# Allegro board 08_038702e.brd (continued)
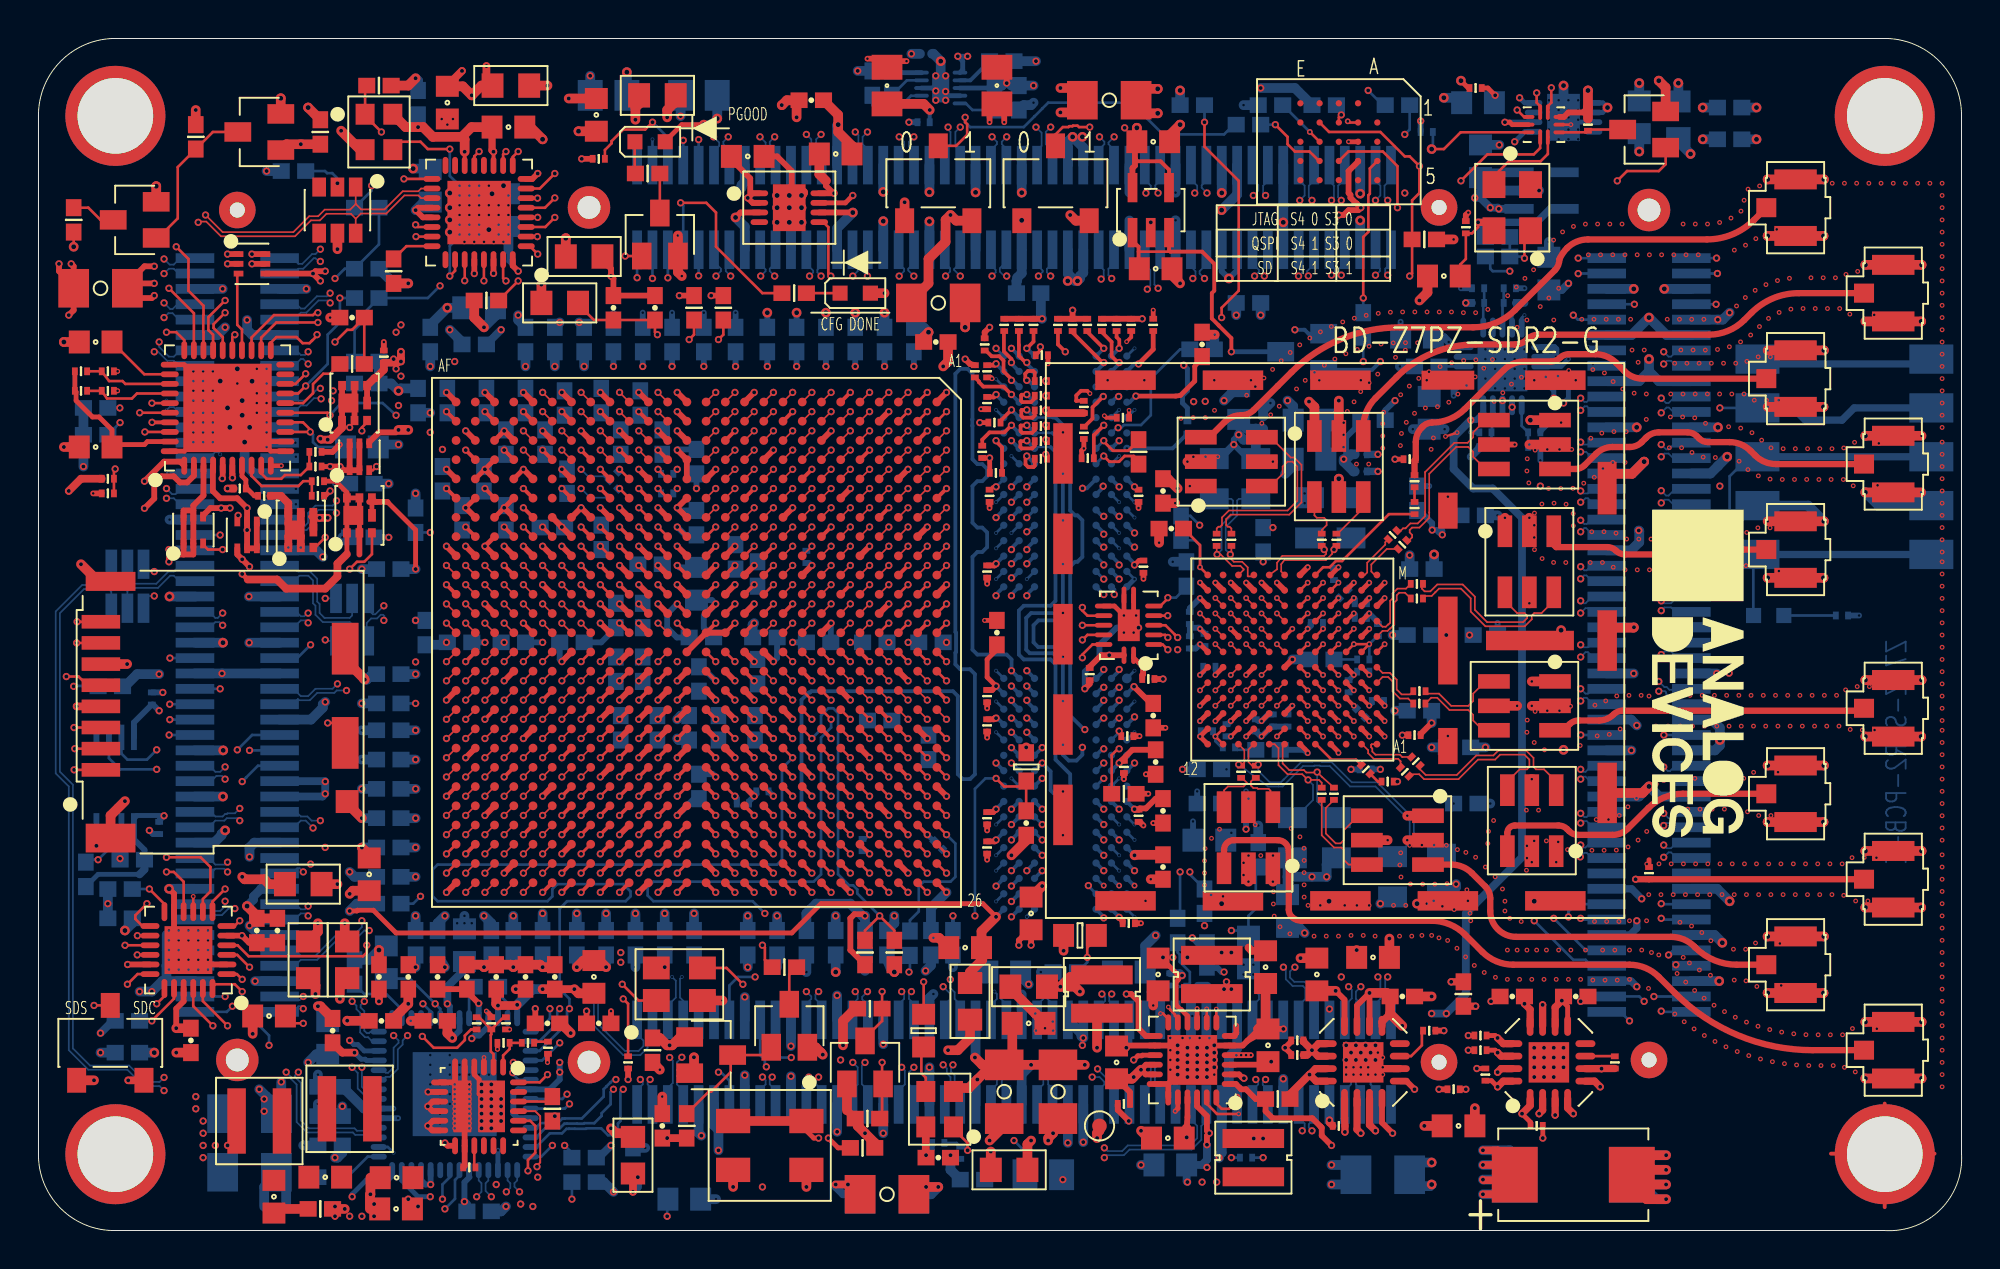
[diagram p0: board, top side]
## Routing (per net, layer and track width the routed paths; a pad name or vN(x,y) marks a point on that pad's centre or on a via; arc(x,y) is an arc through that point) (continued)
VBUS: length 39.7
  L18_SIG w0.203: v1(87.68,36.43) 86.79,36.43 85.9,37.32 85.9,38.21 84.76,39.35 78.03,39.35 72.19,45.19 v1(69.78,45.19)
  BOTTOM w0.14: P1.A1 89.17,34.94 89.17,32 DS1.A
  BOTTOM w0.203: D1.2 69.34,44.76 v1(69.78,45.19) ; v1(87.68,36.43) 87.81,36.43 89.08,35.16 P1.A1
  BOTTOM w0.381: P1.B1 P1.A1
VCC-1P35: length 98.5
  TOP w0.254: v1(57.07,43.4) 59.14,43.4 59.38,43.43 60.12,44.18 60.12,44.94 60.5,45.45 ; C108.1 49.84,30.21 49.33,29.7 49.33,28.78 v1(49.79,28.31) ; C115.1 49.72,45 v1(49.79,45.08) ; C117.1 57.14,38.53 v1(56.99,38.68) ; v1(57.2,45.07) 57.96,45.83 C116.1 ; v1(16.18,16.62) 16.55,16.62 16.59,16.66 17.41,16.66 18.59,15.48 39.17,15.48 40.69,17 49.11,17 v1(49.79,16.31) ; C112.1 49.67,43.35 v1(49.79,43.48) ; C118.1 57.22,34.84 v1(56.99,34.61)
  TOP w0.305: v1(49.79,28.31) 49.59,28.11 C96.1 ; C89.1 58.09,22.46 57.58,21.95 57.27,21.95 C95.1 57.02,21.89 v1(56.99,21.91) ; C87.1 56.88,25 56.31,24.43 ; v1(49.79,34.68) 49.7,34.59 C109.1 ; C92.1 49.72,20.24 v1(49.79,20.31) ; C97.1 49.67,26.59 49.73,26.65 v1(49.79,26.65) ; v1(56.19,16.29) 56.38,16.1 C91.1 ; v1(56.97,28.29) 57.84,27.41 C88.1 ; 56.31,24.43 C94.1 ; 56.31,24.43 v1(56.19,24.31)
  TOP w0.508: v1(53.14,59.42) 53.77,59.42 54.28,58.91 C100.1 54.28,58.66 53.77,58.15 v1(53.14,58.15) ; v1(49.79,16.31) 49.04,15.56 C192.1 49.07,15.18 49.07,14.08 48.44,13.44 E3.2 ; 39.42,58.78 v1(39.42,57.89) ; 39.42,58.78 C120.1 ; 39.42,58.78 38.91,58.78 38.66,58.53 v1(38.65,58.53) ; 58.47,19.54 57.02,19.54 v1(56.99,19.51) ; 58.47,39.1 58.73,39.1 v1(59.23,38.59)
  L15_SIG w0.406: v1(47.8,61.07) v1(48.31,61.07) 48.95,61.07 49.84,60.18 52.63,60.18 53.14,59.67 v1(53.14,59.42) 53.52,59.42 53.9,59.04 53.9,58.53 53.52,58.15 v1(53.14,58.15)
  BOTTOM w0.203: U2.D9 v1(56.99,18.71) ; U2.F1 v1(49.79,20.31) ; v1(56.19,16.29) 56.19,16.31 U2.A8 ; U2.C1 v1(49.79,17.91) ; v1(50.59,35.41) 50.59,35.48 U3.D2 ; U2.R1 v1(49.79,28.31) ; v1(49.79,33.01) 49.79,33.08 U3.A1 ; U3.N9 56.74,43.08 57.01,43.35 57.02,43.35 v1(57.07,43.4) ; U2.C9 56.97,17.94 v6(56.99,17.94) ; U2.G7 v1(55.39,21.11) ; U3.A8 55.94,33.33 v1(55.94,33.08) ; U3.K8 v1(56.19,41.08) ; U3.R1 v1(49.79,45.08) ; U2.K2 v1(50.59,24.31) ; U3.D9 56.93,35.54 v1(56.99,35.54) ; U3.N1 v1(49.79,43.48) ; U2.H2 v1(50.59,21.91) ; U2.D2 v1(50.59,18.71) ; v1(50.59,33.94) 50.66,33.94 U3.B2 ; U3.K2 v1(50.59,41.08) ; U2.N9 v1(56.99,26.71) ; U2.H9 v1(56.99,21.91) ; U2.K8 v1(56.19,24.31) ; U3.C9 56.99,34.68 v1(56.99,34.61) ; U2.B2 v1(50.59,17.11) ; U3.G7 55.36,38.65 v1(55.36,38.71) ; U2.R9 v1(56.97,28.29) ; U3.H2 v1(50.59,38.68) ; v1(57.2,45.07) 57.19,45.08 56.99,45.08 U3.R9 ; U2.A1 v1(49.79,16.31) ; U2.E9 v1(56.99,19.51) ; U3.C1 v1(49.79,34.68) ; U3.E9 v1(56.99,36.28) ; U2.N1 49.86,26.65 v1(49.79,26.65) ; U3.H9 v1(56.99,38.68) ; U3.F1 v1(49.79,37.08)
  BOTTOM w0.254: v1(48.31,61.07) v1(47.8,61.07) 48.06,60.81 48.06,60.36 U14.1
  BOTTOM w0.508: R134.2 16.56,17 v1(16.18,16.62)
VCC-3P3V: length 12.7
  TOP w0.406: C196.1 21.26,59.54 v1(22.02,60.31) ; v1(23.29,60.56) 23.29,60.05 23.61,59.73 E7.2
  TOP w0.508: E7.2 23.04,59.54 v1(22.53,59.04) 22.06,59.51 C196.1
  L17_SIG w0.406: v1(45.39,61.2) 44.5,60.31 v1(42.6,60.31)
  BOTTOM w0.203: 44.46,60.22 R221.1
  BOTTOM w0.254: U14.10 44.46,60.22
  BOTTOM w0.508: R221.1 R222.1 v1(42.6,60.31) ; R178.1 v1(11.86,55.1) ; C43.2 v1(45.39,61.2)
VCC-3P3V-IO: length 35.2
  TOP w0.203: U1.U8 v1(30.22,36.59) ; U1.V14 v1(29.22,29.59) ; U1.V12 v1(29.22,32.59) ; U1.W8 v1(28.22,36.59) ; U1.V8 v1(29.22,36.59)
  TOP w0.305: R168.1 v1(34.98,48.62) ; U11.21 7.55,11.92 7.16,11.54 v1(7.16,10.52) ; U11.17 v1(4.64,13.84) ; U15.21 19.99,52.69 v1(19.61,53.07) 19.73,53.19 U15.20 ; R167.1 v1(33.33,48.62)
  TOP w0.406: S1.3 v1(4.67,7.81) ; J3.4 v1(1.98,27.26) ; D4.A 43.27,48.75
  TOP w0.508: v1(31.04,57.77) 31.04,58.4 31.23,58.59 E8.2 ; C41.1 v1(7.16,10.52) ; C197.1 v1(27.57,58.87) ; v1(41.84,9.63) 41.84,10.9 42.47,11.54 R8.1 ; 43.27,48.75 v1(43.99,48.75)
  L3_SIG w0.406: v1(3.61,17) 2.21,18.4 2.21,21.19 3.61,22.59 3.61,25.64 v1(1.98,27.26)
  BOTTOM w0.406: v1(3.23,10.27) 3.86,10.9
  BOTTOM w0.508: C184.1 20.03,53.49 v1(19.61,53.07) ; C57.1 v1(3.23,9.25) ; 3.86,10.9 R109.1 ; C42.1 v1(3.61,17) R4.1
VCCO-DDR: length 21.2
  TOP w0.203: U1.W22 v1(28.22,21.59) ; U1.H25 v1(40.22,18.59) ; U1.V25 v1(29.22,18.59) ; U1.T21 v1(31.22,22.59) ; U1.R24 v1(32.22,19.59) ; U1.J22 v1(39.22,21.59) ; U1.M23 v1(36.22,20.59) ; U1.N20 v1(35.22,23.59) ; U1.L26 v1(37.22,17.59)
  TOP w0.305: v1(51.61,14.84) C193.1 51.53,15.64 50.98,15.09 v1(50.98,14.84)
  TOP w0.508: E2.2 v1(49.52,4.11) ; C138.1 50.22,5.44 v1(49.46,4.68) ; v1(52.5,4.68) 52.5,4.81 v1(52.76,5.06) 52.76,5.57 C139.1
  BOTTOM w0.305: C130.1 35.07,23.73 v1(35.22,23.59)
  BOTTOM w0.508: C129.1 v1(32.56,16.49) ; C127.1 v1(36.88,16.36) ; C121.1 v1(31.04,16.49) ; C131.1 v1(41.45,16.36) ; C132.1 v1(19.61,18.4) ; C126.1 v1(27.99,16.49) ; C135.1 v1(19.61,22.97) ; C128.1 v1(29.52,16.49) ; C137.1 v1(34.09,16.49) ; C136.1 v1(38.41,16.36)
VCCO_1P8V: length 14.4
  TOP w0.203: U1.A16 v1(47.22,27.59) ; U1.B13 v1(46.22,31.59) ; U1.F11 v1(42.22,33.59) ; U1.E14 v1(43.22,29.59) ; U1.J12 v1(39.22,32.59) ; U1.H15 v1(40.22,28.59)
  TOP w0.305: v1(14.91,49.89) 14.4,49.89 v1(14.28,49.77) ; v1(14.28,49.77) v1(14.66,49.38) ; v1(14.28,49.77) 11.8,49.77
  BOTTOM w0.305: C249.1 v1(39.22,30.59) ; C250.1 v1(42.22,30.59) ; C90.1 v1(32.95,44.94) ; C70.1 v1(29.9,44.94) ; C72.1 v1(42.47,44.94) ; C93.1 v1(36.25,44.94) ; C71.1 v1(45.52,44.94) ; C98.1 v1(39.42,44.94) ; C37.1 v1(45.22,30.59)
VCCO_1P8V_EN: length 4.1
  TOP w0.14: 10.4,49.77 10.34,49.7 10.34,47.1 10.58,46.86 U7.24
VCCO_12: length 11.7
  TOP w0.203: U1.AC10 v1(24.22,34.59) ; U1.AB13 v1(25.22,31.59) ; U1.AA16 v1(26.22,27.59) ; U1.AE14 v1(22.22,29.59) ; U1.AD17 v1(23.22,26.59) ; U1.AF11 v1(21.22,33.59)
  TOP w0.254: 14.15,37.13 14.56,37.13 v1(14.62,37.07)
  TOP w0.406: 14.29,37.07 14.29,37.34 Q11.4 ; 14.29,37.07 Q11.PAD2 ; 14.29,37.07 v1(14.62,37.07) v1(15.04,37.07)
  BOTTOM w0.254: v1(14.62,37.07) v1(15.04,37.07)
  BOTTOM w0.508: C153.1 23.55,15.98 v1(23.17,16.36) ; C146.1 v1(19.61,19.92) ; C111.1 v1(19.61,24.49) ; C160.1 v1(19.61,21.44) ; C157.1 v1(26.21,16.49) ; C144.1 v1(19.61,28.94)
VCCO_12_13_EN: length 30.8
  TOP w0.14: v1(14.91,36.05) 14.38,35.52 Q11.3 ; v1(6.78,49) 8.08,47.71 U7.29 ; v1(16.18,34.4) 16.56,34.78 16.94,34.78 17.34,35.18 Q9.3
  L17_SIG w0.095: 15.55,35.5 15.55,35.03 v1(16.18,34.4) ; 15.55,35.5 16.18,36.13 16.18,36.33 17.03,37.18 17.03,37.46 16.83,37.66 16.83,38.22 17.2,38.59 17.2,42.02 16.44,42.78 12.63,42.78 12.12,43.29 12.12,44.43 11.61,44.94 10.85,44.94 v1(6.78,49) ; 15.55,35.5 15.46,35.5 v1(14.91,36.05)
VCCO_13: length 23.3
  TOP w0.203: U1.AC20 v1(24.22,23.59) ; U1.AB23 v1(25.22,20.59) ; U1.Y19 v1(27.22,24.59) ; U1.AE24 v1(22.22,19.59) ; U1.AA26 v1(26.22,17.59) ; U1.AF21 v1(21.22,22.59)
  TOP w0.254: v1(19.61,34.4) 19.61,36.43 18.15,37.89 ; 17.55,37.89 Q9.4 17.34,37.2 Q9.PAD2
  TOP w0.305: 17.2,37.89 18.15,37.89
  BOTTOM w0.254: R57.1 3.1,18.52 5.26,18.52 ; U21.1 4.96,21.4 5.14,21.58 6.52,21.58 v1(6.53,21.57)
  BOTTOM w0.305: R58.1 5.51,19.79 4.96,20.34 U21.1 ; C243.2 6.28,21.32 v1(6.53,21.57)
  BOTTOM w0.406: 20.12,31.73 v1(19.61,31.73) ; R58.1 5.51,18.78 5.26,18.52
  BOTTOM w0.508: C171.1 v1(19.61,34.4) ; C167.1 v1(19.61,26.02) ; C169.1 20.75,15.98 v1(21.13,16.36) ; C185.1 v1(19.61,16.36) ; C186.1 v1(24.69,16.36)
VCCO_33_34: length 22.9
  TOP w0.203: U1.K9 v1(38.22,35.59) ; U1.F1 v1(42.22,43.59) ; U1.D7 v1(44.22,37.59) ; U1.J2 v1(39.22,42.59) ; U1.L6 v1(37.22,38.59) ; U1.B3 v1(46.22,41.59) ; U1.E4 v1(43.22,40.59) ; v1(18.72,41.64) 18.59,41.51 ; U1.H5 v1(40.22,39.59) ; U1.G8 v1(41.22,36.59) ; U1.M3 v1(36.22,41.59) ; U1.A6 v1(47.22,38.59) ; U1.C10 v1(45.22,34.59)
  TOP w0.305: 18.59,41.51 17.71,41.51 17.2,41 Q10.4 ; U22.14 v1(55.68,29.92) 55.26,29.92 54.66,29.32 C246.1
  TOP w0.508: v1(47.04,44.94) 47.3,45.19 C145.1 ; v1(19.23,41.64) v1(18.72,41.64)
  BOTTOM w0.203: C147.1 v1(47.55,16.36)
  BOTTOM w0.305: C15.1 v1(37.9,44.94) ; C18.1 v1(31.42,44.94) ; C27.1 v1(40.95,44.94) ; C154.1 v1(34.22,38.59) ; C31.1 v1(43.99,44.94) ; C17.1 v1(34.6,44.94)
  BOTTOM w0.508: C28.1 v1(26.85,44.94) ; v1(44.5,16.36) 44.5,15.98 C110.1 ; C99.1 v1(25.33,44.94) ; C114.1 v1(28.37,44.94)
VCCO_33_34_EN: length 24.4
  TOP w0.14: Q10.3 17.39,39.54 v1(17.58,39.73) ; U7.28 8.58,46.71 8.57,46.72 8.57,47.61 8.58,47.62 8.58,48.09 7.8,48.88 7.8,50.53 v1(7.16,51.16)
  L17_SIG w0.095: v1(17.58,39.73) 17.71,39.86 17.71,42.02 16.56,43.16 16.56,43.8 13.64,46.72 10.72,46.72 10.13,47.31 9.36,47.31 8.56,48.11 8.56,49.77 v1(7.16,51.16)
VCCPCOM-1P8V: length 90.2
  TOP w0.203: U1.C20 v1(45.22,23.59) ; U1.U9 v1(30.22,35.59) ; U1.L19 v1(37.22,24.59) ; U1.N9 v1(35.22,35.59) ; U1.E24 v1(43.22,19.59) ; U1.P10 v1(33.22,34.59) ; U1.V6 v1(29.22,38.59) ; U1.B23 v1(46.22,20.59) ; U1.T10 v1(31.22,34.59) ; U1.V10 v1(29.22,34.59) ; U1.T8 v1(31.22,36.59) ; U1.N19 v1(35.22,24.59) ; U1.P8 v1(33.22,36.59) ; U15.11 v1(23.66,56.1) ; U1.G18 v1(41.22,25.59) ; U1.D17 v1(44.22,26.59) ; U1.F21 v1(42.22,22.59) ; U1.K18 v1(38.22,25.59) ; U1.A26 v1(47.22,17.59) ; U1.R19 v1(32.22,24.59) ; U1.R9 v1(32.22,35.59) ; U1.M10 v1(36.22,34.59) ; U15.14 v1(22.16,56.1) ; U1.U19 v1(30.22,24.59)
  TOP w0.305: v1(6.02,50.15) 5.51,50.15 4.62,49.26 C180.1 ; v1(24.94,49.89) 24.66,50.17 U15.32 ; Q12.6 v1(11.1,50.78) ; v1(67.62,52.81) 67.87,52.81 68.12,53.07 68.63,53.07 v1(68.76,53.19) 68.54,53.42 68.52,53.42 68.22,53.71 68.22,53.86 68.12,53.96 68.12,55.1 68.62,55.59 U13.B4 ; v1(25.96,54.97) 25.68,54.69 U15.8 ; R194.1 42.22,14.59 42.22,16.24 42.43,16.45 42.89,16.45 v1(42.98,16.36) ; Q12.1 v1(9.83,50.78) ; Q12.2 v1(9.83,50.27) ; Q12.5 v1(11.1,50.27) ; U11.5 v1(10.58,15.34) 10.95,14.97 C54.1 ; C180.1 4.75,49 5.01,49.26 v1(6.02,49.26) ; C180.1 4.62,48.88 5.01,48.5 5.89,48.5 v1(6.02,48.62) ; U15.30 v1(23.66,49.78) ; U15.28 v1(22.66,49.77)
  TOP w0.381: C183.1 23.59,56.18 v1(23.66,56.1)
  TOP w0.406: Y1.4 46.14,3.93 v1(46.15,3.92) ; R7.1 42.04,6.26
  TOP w0.508: E9.2 14.53,15.54 v1(14.53,15.98) ; v1(23.17,46.97) 22.66,47.48 R9.1 ; 22.02,56.88 22.16,56.73 v1(22.16,56.1) ; 22.02,56.88 20.51,56.88 20,57.39 v1(19.74,57.39) 19.09,57.39 Y3.4 ; 22.02,56.88 22.52,57.39 C183.1 ; E1.1 v1(26.15,49.19) ; S4.3 47.72,52.52 v1(47.42,52.81) 47.17,52.56 47.17,51.42 46.28,50.53 46.28,49.26 45.39,48.37 C172.1 ; v1(53.65,52.81) 53.94,52.52 S3.3 ; 42.04,6.26 Q5.1 ; C39.1 v1(46.15,3.92) ; C54.1 C55.1 ; R7.1 42.6,5.7 42.6,5.44 v1(42.98,5.06) 43.49,4.55 R3.1 ; L12.1 v1(51.36,25.13)
  BOTTOM w0.203: v1(24.94,49.89) 24.44,50.4 24.44,51.04
  BOTTOM w0.254: v1(46.22,20.59) 46.53,20.27 R32.1 ; v1(46.15,3.92) 46.47,4.24 R76.1 ; v1(43.22,19.59) 43.07,19.73 R31.1
  BOTTOM w0.305: v1(33.22,36.59) 33.63,36.18 C179.1 ; v1(33.22,34.59) 33.32,34.49 C198.1 ; C175.1 v1(23.22,30.59)
  BOTTOM w0.406: C168.1 v1(19.74,57.39) ; C166.1 v1(24.06,46.84)
  BOTTOM w0.508: R6.1 v1(51.87,60.81) ; C82.1 v1(33.39,57.96) ; C176.1 46.41,16.78 v1(47.22,17.59) ; v1(6.28,28.94) 5.13,28.94 4.5,28.3 R36.1 ; 24.44,51.04 C181.1 ; C174.1 39.93,16.49 40.44,17 42.22,17 42.85,16.36 v1(42.98,16.36) C177.1 ; v1(63.55,59.42) 65.33,59.42 R28.1 ; C182.1 23.76,47.57 v1(23.17,46.97) ; 62.28,48.24 v1(62.28,47.61) ; C83.1 v1(28.69,60.05)
VCCPINT: length 13.4
  TOP w0.203: U1.N17 v1(35.22,26.59) ; U1.T18 v1(31.22,25.59) ; U1.R17 v1(32.22,26.59) ; U1.P18 v1(33.22,25.59) ; U1.U17 v1(30.22,26.59) ; U1.L17 v1(37.22,26.59)
  TOP w0.508: C191.1 52,11.12 52,11.14 51.85,11.28 v2(51.83,11.28) 50.53,12.58 E4.2
  L2_GND w0.305: v2(52.34,10.52) 52.34,10.05 v3(52.76,9.63) ; v2(51.83,11.28) v3(51.83,9.63)
  BOTTOM w0.102: v1(37.22,26.59) 37.22,26.73 C164.1
  BOTTOM w0.508: v1(33.22,25.59) 33.3,25.51 C159.1 ; v1(67.24,2.39) 68,2.39 C173.1 68,3.41 v1(67.24,3.41)
  vias: v2(51.87,10.4) v2(52.74,10.86) v2(52.76,10.4)
VDD_INTERFACE: length 7
  TOP w0.203: v6(60.4,31.29) U17.H12
  TOP w0.254: U22.1 56.94,29.79 57.43,29.31 v1(57.46,29.31)
  TOP w0.305: C245.1 57.39,28.89 57.44,28.93 57.44,29.28 v1(57.46,29.31) ; R306.2 v1(74.22,7.35)
  TOP w0.381: E10.2 v1(73.46,12.94)
  L19_GND w0.305: v4(61.77,23.98) 61.9,24.11 v3(61.9,24.37) ; v3(61.52,22.84) 61.77,22.59 v4(61.77,22.21) ; v4(62.03,20.68) 62.03,20.99 v3(61.74,21.28)
  BOTTOM w0.305: 59.87,31.35 60.34,31.35 v6(60.4,31.29) 60.63,31.06 C355.1 ; 59.87,31.35 C348.1 ; 59.87,31.35 C356.1 ; C354.1 v4(61.77,23.98) ; C357.1 v4(61.77,22.21)
VDDA_GPO: length 102.8
  TOP w0.203: v6(63.6,25.69) U17.B8
  L7_SIG w0.508: v5(85.9,55.99) 88.95,52.94 88.95,46.97 85.52,43.54 85.52,42.27 84.76,41.51 83.75,41.51 81.59,39.35 79.68,39.35 79.05,38.72 v1(78.09,38.72)
  L14_SIG w0.406: 67.87,22.21 66.35,22.21 65.2,23.35 65.2,23.86 64.7,24.37
  L14_SIG w0.508: v5(86.54,56.75) 86.29,56.75 ; 86.29,56.75 86.29,55.99 ; 86.29,56.75 86.29,58.15 v5(86.54,58.4) ; 86.29,55.99 86.29,53.32 88.44,51.16 88.44,48.75 90.98,46.21 90.98,24.11 85.65,18.78 83.31,18.78 83.27,18.82 82.82,18.82 82.78,18.78 75.36,18.78 73.71,20.43 69.01,20.43 68.63,20.81 68.63,21.44 67.87,22.21 ; 86.29,55.99 v5(85.9,55.99) ; v6(63.6,25.69) 63.6,25.46 64.7,24.37
  L19_GND w0.305: v4(78.09,40.05) v1(78.09,38.72)
  BOTTOM w0.305: R67.1 v4(78.09,40.05) ; C359.1 63.56,25.69 v6(63.6,25.69) 64.11,26.21 C319.1 C360.1
  BOTTOM w0.508: C358.1 v5(86.54,56.75) ; E11.2 85.27,56.62 v5(85.9,55.99) ; C361.1 v5(86.54,58.4)
VDDA_GPO_PWR: length 5.7
  BOTTOM w0.254: U6.1 81.34,58.64 v5(81.59,58.4) 81.33,58.14 U6.2
  BOTTOM w0.508: JX4.9 v1(87.32,47.37) 87.57,47.37 v1(87.94,47.73) ; C200.1 v5(83.24,59.67) ; E11.1 v5(85.27,59.67)
VDDCAP: length 8.1
  TOP w0.254: R30.1 R39.1 1.96,43.61 1.96,43.16 2.81,42.31 3.15,42.31 3.82,41.64 C205.1 3.95,40.88 5.51,40.88 5.67,41.03 U7.39
VIN: length 22
  TOP w0.305: R43.1 v1(30.66,7.86) ; v1(41.37,53.94) 41.34,53.94 ; 41.34,53.94 U9.8 ; 41.34,53.94 40.95,54.34 40.95,54.59 ; C65.1 56.76,7.2 C66.1 ; v1(56.57,12.3) 56.82,12.3 57.2,11.92 57.2,10.5 57.58,10.12 U4.13 ; v1(64.1,8.78) C62.1 63.77,8.62 U4.3 ; 59.7,5.32 59.75,5.91 U4.21 ; U4.16 57.59,8.62 v1(57.33,8.36) 57.57,8.12 U4.17 ; Q13.PAD2 17.09,43.04 Q13.4 ; R56.1 v1(28.25,55.73)
  TOP w0.406: Q13.4 17.47,44.33 17.52,44.33 17.96,44.76 C364.1 18.66,45.13 18.85,45.32 ; v1(18.85,45.19) 18.85,45.32 ; 18.85,45.32 v1(18.85,45.7)
  TOP w0.508: C36.1 40.6,54.93 40.95,54.59 ; v1(57.33,8.36) v1(56.95,7.98) 56.86,7.89 C65.1 ; 59.7,5.32 v1(59.7,4.85) ; TP2.1 55.17,5.2 55.04,5.07 v1(55.04,4.81)
  BOTTOM w0.305: v1(60,15.22) 60.25,14.97 R29.1
  vias: v1(18.47,45.32) v1(18.59,44.81) v1(18.72,42.91) v1(18.85,44.43) v1(19.23,1.63) v1(19.74,1.25) v1(23.8,2.39) v1(25.07,1.38) v1(25.71,1.25)
VIN_EN: length 19
  TOP w0.14: U7.30 7.58,46.3 7.16,46.72 v1(6.66,46.72) ; Q13.3 17.09,42.03 16.82,41.76 v1(16.82,41.59)
  L17_SIG w0.095: v1(16.82,41.59) 15.47,40.24 14.78,40.24 13.64,39.1 12.63,39.1 11.99,39.73 9.58,39.73 9.32,39.99 9.32,43.16 7.67,44.81 7.67,45.7 v1(6.66,46.72)
1P3_SUPPLY_A: length 86.7
  TOP w0.203: v6(62.8,25.69) U17.B9 ; v6(68.4,32.89) U17.K3 ; v6(69.2,28.09) U17.E2 ; v6(68.4,32.09) U17.J3 ; v6(69.2,28.89) U17.F2 ; v6(62,25.69) U17.B10
  TOP w0.305: U19.10 v1(69.21,12.36) 68.56,11.71 U19.11 ; v1(67.45,12.47) 67.91,12.01 U19.12
  TOP w0.381: U19.9 69.86,10.85 70.28,11.27 ; C315.1 65.97,9.13 v1(66.22,9.38) ; U19.13 66.56,9.72 v1(66.22,9.38) ; v1(66.22,9.38) 66.53,9.07 U19.14 ; v1(66.22,9.38) 65.77,9.82 C314.1
  TOP w0.508: C312.1 v1(68.54,14.59) ; v1(70.91,10.64) 70.28,11.27 C320.1 70.1,12.36 v1(69.21,12.36) ; C313.1 v1(67.45,12.47)
  L11_POWER w0.203: v6(62,25.69) 62,25.16 62.41,24.75 64.06,24.75 64.57,24.24 64.57,23.1 65.84,21.83 65.84,21.44 65.58,21.19 65.08,21.19 64.44,20.56 64.44,19.29 ; 75.11,28.56 73.84,28.56 73.46,28.94 72.57,28.94 72.06,28.43 71.3,28.43 70.66,29.06 70.16,29.06 69.2,28.11 v6(69.2,28.09) ; v6(69.2,28.89) 69.22,28.89 70.03,29.7 70.79,29.7 71.3,29.19 71.81,29.19 72.32,29.7 73.97,29.7 74.22,29.45 74.98,29.45 ; 68,20.81 67.74,21.06 67.74,23.98 67.36,24.37 65.71,24.37 64.82,25.25 63.17,25.25 62.8,25.63 v6(62.8,25.69) ; 74.98,32.49 71.05,32.49 70.27,33.27 69.79,33.27 69.64,33.12 69.64,32.74 69.39,32.49 69.27,32.49 69.22,32.45 68.75,32.45 v6(68.4,32.09) ; v6(68.4,32.89) 68.76,33.26 68.76,34.27 69.14,34.65 69.9,34.65 71.3,33.26 74.98,33.26
  L15_SIG w0.203: v3(79.55,46.08) 78.28,44.81 78.28,41.38 74.47,37.57 72.19,37.57 71.3,36.68 v1(71.3,35.12)
  L19_GND w0.305: v4(79.55,45.32) v3(79.55,46.08)
  BOTTOM w0.254: U24.18 79.17,44.94 v4(79.55,45.32)
  BOTTOM w0.305: C321.1 61.99,25.7 v6(62,25.69) ; C326.1 68.44,32.85 v6(68.4,32.89) ; C329.1 68.44,32.05 v6(68.4,32.09)
  BOTTOM w0.508: C327.1 v1(71.3,35.12) ; C323.1 v1(70.54,27.03) ; C328.1 v1(70.41,30.97)
1P3_SUPPLY_B: length 89
  TOP w0.203: v6(69.2,27.29) U17.D2 ; v6(68.4,28.09) U17.E3 ; v6(67.6,32.89) U17.K4 ; v6(60.4,28.89) U17.F12 ; v6(68.4,27.29) U17.D3
  TOP w0.254: C344.1 75.74,9.38 v1(75.87,9.25) ; U20.9 79.51,11.66 v1(79.21,11.96) ; C343.1 75.74,10.14 v1(75.87,10.01)
  TOP w0.305: C337.1 v1(70.92,25.76)
  TOP w0.381: v1(77.27,11.79) 77.56,11.5 U20.12 ; U20.11 v1(78.21,11.74) ; U20.14 76.05,9.07 v1(75.87,9.25) ; U20.10 78.86,11.61 v1(79.21,11.96) ; U20.13 76.17,9.72 v1(75.87,10.01)
  L10_POWER w0.254: v6(67.6,32.89) 67.22,33.27 65.44,33.27 65.08,33.64 65.08,37.45 ; 68.25,21.83 v1(68.25,23.98) 68.78,24.51 68.78,26.65 68.4,27.03 v6(68.4,27.29) ; v6(69.2,27.29) 69.2,27.34 69.78,27.92 71.93,27.92 72.32,27.54 75.49,27.54 ; v6(60.4,28.89) 60.66,29.15 60.72,29.15 61.14,29.57 62.03,29.57 62.41,29.95 62.41,34.65 ; v6(68.4,28.09) 68.42,28.09 68.84,28.51 70.62,28.51 71.3,29.19 75.49,29.19
  L15_SIG w0.203: v1(73,36.18) 73.85,36.18 79.3,41.64 v1(79.3,43.03)
  L19_GND w0.254: v4(73.59,22.21) v3(72.95,22.84)
  BOTTOM w0.102: v4(65.84,38.34) 66.06,38.11 v4(66.09,38.11) 66.09,38.08 v4(65.84,37.83)
  BOTTOM w0.254: v1(79.3,43.03) 79.55,43.29 79.55,44.05 79.17,44.44 U24.19 ; C1.1 69.33,27.43 v6(69.2,27.29) ; v6(68.4,27.29) 68.53,27.16 C325.1 ; v6(68.4,28.09) 68.23,28.09 C4.1 ; v6(60.4,28.89) 60.57,29.06 C330.1
  BOTTOM w0.305: C24.1 v1(62.41,41.38) 62.16,41.13 v1(62.16,40.88) 62.89,40.14 L2.1 ; C2.1 v1(74.41,30.97) ; C331.1 73.36,37.19 72.95,36.78 72.95,36.43 73,36.39 v1(73,36.18) 72.87,36.3 72.82,36.3 72.7,36.43 v1(72.47,36.43) 72.47,36.78 71.81,37.45 C324.1 ; C335.1 v1(63.68,34.78) ; C19.2 v1(62.79,20.87) ; C334.1 v1(68.25,23.98) ; C3.1 68.76,42.02 68,41.26 68,40.24 v1(67.87,40.11)
  BOTTOM w0.381: v1(62.16,40.88) 61.77,40.49 61.48,40.49 61.14,40.16 L1.1
  BOTTOM w0.508: 63.3,41.13 L2.1 ; 63.3,41.13 62.66,41.13 v1(62.41,41.38) ; 63.3,41.13 63.3,41.7 ; L10.1 67.33,19.38 66.98,19.03 v1(66.98,18.4) v1(66.22,18.4) 64.95,18.4 ; L4.1 70.13,17.35 v1(69.78,17) ; L3.1 73.33,17.48 73.71,17.86 v1(73.71,18.02) ; C16.2 68.25,40.37 68,40.11 v1(67.87,40.11) 67.87,39.99 68.38,39.48 C14.2 ; 64.95,18.4 64.95,19.13 L11.1 ; 64.95,18.4 C23.1 ; C20.2 63.3,41.7 ; 63.3,41.7 62.82,41.7 C24.1 ; C336.1 v1(72.44,25.13) ; C22.1 C21.1
  vias: v3(65.08,38.34) v3(65.08,37.7)
9361_XTAL: length 5.2
  TOP w0.14: U17.M12 v6(60.4,34.49) 60.4,35.65 C165.1
  BOTTOM w0.14: v6(60.4,34.49) 60.4,34.5 60.4,35.62 60.12,35.9 C216.2
AD9361_CLK: length 51.2
  TOP w0.14: v5(72.44,56.24) 73.08,56.24 73.95,57.11 U5.1
  L14_SIG w0.095: v1(84.52,25.77) 86.41,27.67 87.94,27.67 88.7,28.43 88.7,44.43 85.9,47.23 85.9,49 84.89,50.02 83.36,50.02 77.52,55.86 72.82,55.86 v5(72.44,56.24)
  BOTTOM w0.14: v5(72.44,56.24) 72.51,56.31 R5.1 ; JX4.63 v1(84.52,25.77)
AUXADC: length 36.8
  TOP w0.14: v6(66.8,33.69) U17.L5
  L7_SIG w0.095: v6(66.8,33.69) 67.04,33.69 67.54,34.19 67.72,34.19 67.9,34.37 67.9,34.55 68.12,34.78 68.76,34.78 73.2,39.22 73.2,44.05 76.51,47.35 76.51,48.37 79.43,51.29 87.43,51.29 87.81,50.91 87.81,48.75 v1(87.23,48.17)
  BOTTOM w0.14: JX4.7 v1(87.23,48.17)
AUXDAC1: length 32.2
  TOP w0.14: v6(68.4,25.69) U17.B3
  L7_SIG w0.095: v6(68.4,25.69) 68.44,25.69 68.89,26.14 71.68,26.14 77.01,31.48 77.01,38.59 80.7,42.27 80.7,45.89 v1(82.98,48.17)
  BOTTOM w0.14: JX4.8 v1(82.98,48.17)
AUXDAC2: length 29.3
  TOP w0.14: v6(68.4,26.49) U17.C3
  L7_SIG w0.095: v6(68.4,26.49) 68.4,26.87 68.7,27.17 68.7,27.23 69.14,27.67 70.41,27.67 74.35,31.6 74.35,35.16 75.64,36.45 75.64,39.88 77.5,41.74 77.74,41.74 77.98,41.98 77.98,42.22 78.03,42.27 78.03,45.45 79.3,46.72 79.55,46.72 79.81,46.97 v1(79.81,47.61)
  BOTTOM w0.14: v1(79.81,47.61) 80.04,47.37 JX4.10
CARRIER_RESET: length 77.1
  TOP w0.14: Q5.3 42.98,10.01 43.87,10.9 R8.2 v1(43.87,12.43)
  L3_SIG w0.095: v3(54.06,45.7) 54.28,45.48 55.53,45.48 55.73,45.28 55.73,43.11 56.57,42.27 56.57,33.51 57.33,32.75 57.33,31.7 57.54,31.49 57.54,29.71 57.8,29.45 57.8,29.17 57.33,28.7 57.33,17.76 57.02,17.45 56.85,17.45 55.85,16.46 55.85,16.24 53.77,14.16 53.77,12.17 53.39,11.79 44.5,11.79 v1(43.87,12.43)
  L6_SIG w0.095: v3(49.96,49.26) 48.95,49.26 47.8,50.4 33.58,50.4 v1(32.73,49.55)
  L17_SIG w0.095: v3(49.96,49.26) 52.5,49.26 53.43,48.33 53.43,47.72 53.77,47.38 53.77,45.99 v3(54.06,45.7)
  BOTTOM w0.14: JX1.6 v1(32.73,49.55)
CTRL_IN0: length 25.4
  TOP w0.14: v6(66.8,26.49) U17.C5 ; U22.2 58.46,30.48 v1(58.73,30.21)
  L15_SIG w0.095: v1(58.73,30.21) 57.95,30.98 57.95,33.03 58.72,33.79 58.72,33.88 59.63,34.79 62.9,34.79 63.26,34.44 65.62,34.44 65.87,34.19 66.43,34.19 66.62,33.99 66.92,33.99 67.1,33.82 67.1,33.52 67.3,33.32 67.3,32.77 67.47,32.59 67.65,32.59 68.1,32.14 68.1,31.97 68.27,31.79 68.45,31.79 68.76,31.48 68.76,26.43 68.52,26.19 68.3,26.19 68.23,26.12 67.17,26.12 v6(66.8,26.49)
CTRL_IN1: length 21.9
  TOP w0.14: U22.3 58.59,30.98 v1(58.73,30.84) ; v6(66,26.49) U17.C6
  L15_SIG w0.095: v1(58.73,30.84) 58.24,31.33 58.24,33 58.94,33.7 58.94,33.72 59.23,34.02 64.82,34.02 65.65,33.19 66.12,33.19 66.3,33.02 66.3,32.77 66.67,32.39 66.92,32.39 67.1,32.22 67.1,31.97 67.47,31.59 67.72,31.59 67.9,31.42 67.9,30.94 68.1,30.74 68.1,27.13 67.87,26.91 66.6,26.91 66.19,26.49 v6(66,26.49)
CTRL_IN2: length 14.9
  TOP w0.14: v6(66,27.29) U17.D6 ; v1(59.23,30.84) 59.09,30.99 59.09,30.99 58.6,31.48 U22.4
  L15_SIG w0.095: v6(66,27.29) 66,27.32 66.47,27.79 66.47,31.24 66.3,31.42 66.12,31.59 65.85,31.59 64.82,32.62 64.55,32.62 64.52,32.59 62.87,32.59 62.5,32.22 62.5,32.07 62.02,31.59 61.87,31.59 61.7,31.42 61.7,31.27 61.39,30.97 59.36,30.97 v1(59.23,30.84)
CTRL_IN3: length 15.5
  TOP w0.14: U22.5 v1(58.72,31.98) ; v6(66.8,27.29) U17.D5
  L15_SIG w0.095: v6(66.8,27.29) 66.86,27.29 67.24,27.67 67.24,31.28 66.92,31.59 66.67,31.59 66.3,31.97 66.3,32.22 66.12,32.39 65.81,32.39 64.95,33.26 60,33.26 v1(58.72,31.98)
DDR3_A0: length 55.1
  TOP w0.197: U1.K22 v1(38.22,21.59) ; v1(51.39,43.48) 51.38,43.47 51.13,43.47 51.09,43.43 51.09,43.15 51.16,43.09 51.61,43.09 51.8,43.28 R136.1
  L4_SIG w0.14: v1(38.22,21.59) 37.58,22.23 37.58,22.74 37.52,22.8 37.52,23.38 37.58,23.44 37.58,23.74 37.52,23.8 37.52,24.38 37.58,24.44 37.58,24.74 37.52,24.8 37.09,25.23 37.07,25.23 36.85,25.44 36.85,25.46 36.4,25.92 36.37,25.95 36.31,25.95 35.85,26.41 35.85,30.34 35.98,30.46 36.25,30.46 36.5,30.21 36.5,30.08 36.63,29.95 36.88,29.95 37.01,30.08 37.01,30.46 37.12,30.57 37.41,30.57 37.85,30.13 37.85,29.44 38.07,29.23 38.37,29.23 38.85,28.74 38.85,28.44 39.07,28.23 39.37,28.23 39.85,27.74 39.85,27.44 40.07,27.23 40.37,27.23 40.85,26.74 40.85,26.44 41.07,26.23 41.69,26.23 41.96,25.95 47.87,25.95 48.34,25.48 50.67,25.48 50.95,25.76 50.95,25.99 51.39,26.43 v1(51.39,26.65)
  L18_SIG w0.14: v1(51.39,43.48) 51.44,43.48 51.61,43.31 51.76,43.31 52.23,43.78 52.78,43.78 53.9,42.65 53.9,40.24 53.01,39.35 53,39.35 53,38.59 54.03,37.57 54.03,36.94 53.01,35.92 53,35.92 53,31.86 52.88,31.73 52.88,29.66 52.87,29.66 52.87,27.15 52.44,26.71 51.84,26.71 51.78,26.65 v1(51.39,26.65)
  BOTTOM w0.197: U3.N3 v1(51.39,43.48) ; v1(51.39,26.65) 51.46,26.65 U2.N3
DDR3_A1: length 56.4
  TOP w0.197: v1(53.39,45.7) 53.01,46.08 R137.1 ; U1.K20 v1(38.22,23.59)
  L3_SIG w0.14: v3(54.54,44.05) 54.66,43.93 54.66,42.66 54.92,42.4 54.92,31.73 56.57,30.08 56.57,25.86 56.55,25.85 56.55,25.83 56.34,25.62 56.04,25.62 55.83,25.83 55.83,25.84 55.81,25.86 55.81,27.1 55.39,27.51 v1(55.39,27.58)
  L4_SIG w0.14: v1(55.39,27.58) 55.04,27.58 54.94,27.68 54.3,27.68 54.2,27.58 54.2,27.41 54.33,27.29 54.46,27.29 54.59,27.16 54.59,26.96 54.49,26.86 54.07,26.86 53.9,26.69 53.9,25.64 54.03,25.51 54.54,25.51 54.79,25.25 54.79,24.75 54.6,24.56 53.96,24.56 53.9,24.49 53.9,23.86 53.77,23.73 53.77,23.6 53.65,23.48 53.52,23.48 53.39,23.6 53.39,23.9 53.32,23.97 53.13,23.97 53.01,23.86 53.01,23.6 52.88,23.48 52.76,23.48 52.38,23.86 52.36,23.86 52.34,23.88 51.98,23.88 51.74,24.11 51.61,24.11 51.23,23.73 51.23,23.6 50.98,23.35 50.14,23.35 49.91,23.12 49.43,23.12 49.33,23.22 49.33,23.48 49.2,23.6 49,23.6 48.9,23.5 48.9,23.2 48.82,23.12 48.57,23.12 48.44,23.25 48.44,23.48 48.29,23.63 48.07,23.63 47.93,23.49 47.93,23.35 47.8,23.22 40.95,23.22 40.69,23.47 40.69,23.86 40.44,24.11 40.06,24.11 39.59,23.64 39.59,22.37 39.3,22.08 38.79,22.08 38.58,22.29 38.58,22.74 38.53,22.78 38.22,23.1 v1(38.22,23.59)
  L15_SIG w0.14: v1(53.39,45.7) 54.54,44.56 v3(54.54,44.05)
  L19_GND w0.197: v3(54.54,44.05) 54.82,44.05 v4(54.99,43.88)
  BOTTOM w0.197: v1(55.39,27.58) 55.39,27.52 U2.P7